# Allegro board RK_EVB1_RK3576_LP4XD200P132SD6_V12_20240530YWQ.brd (continued)
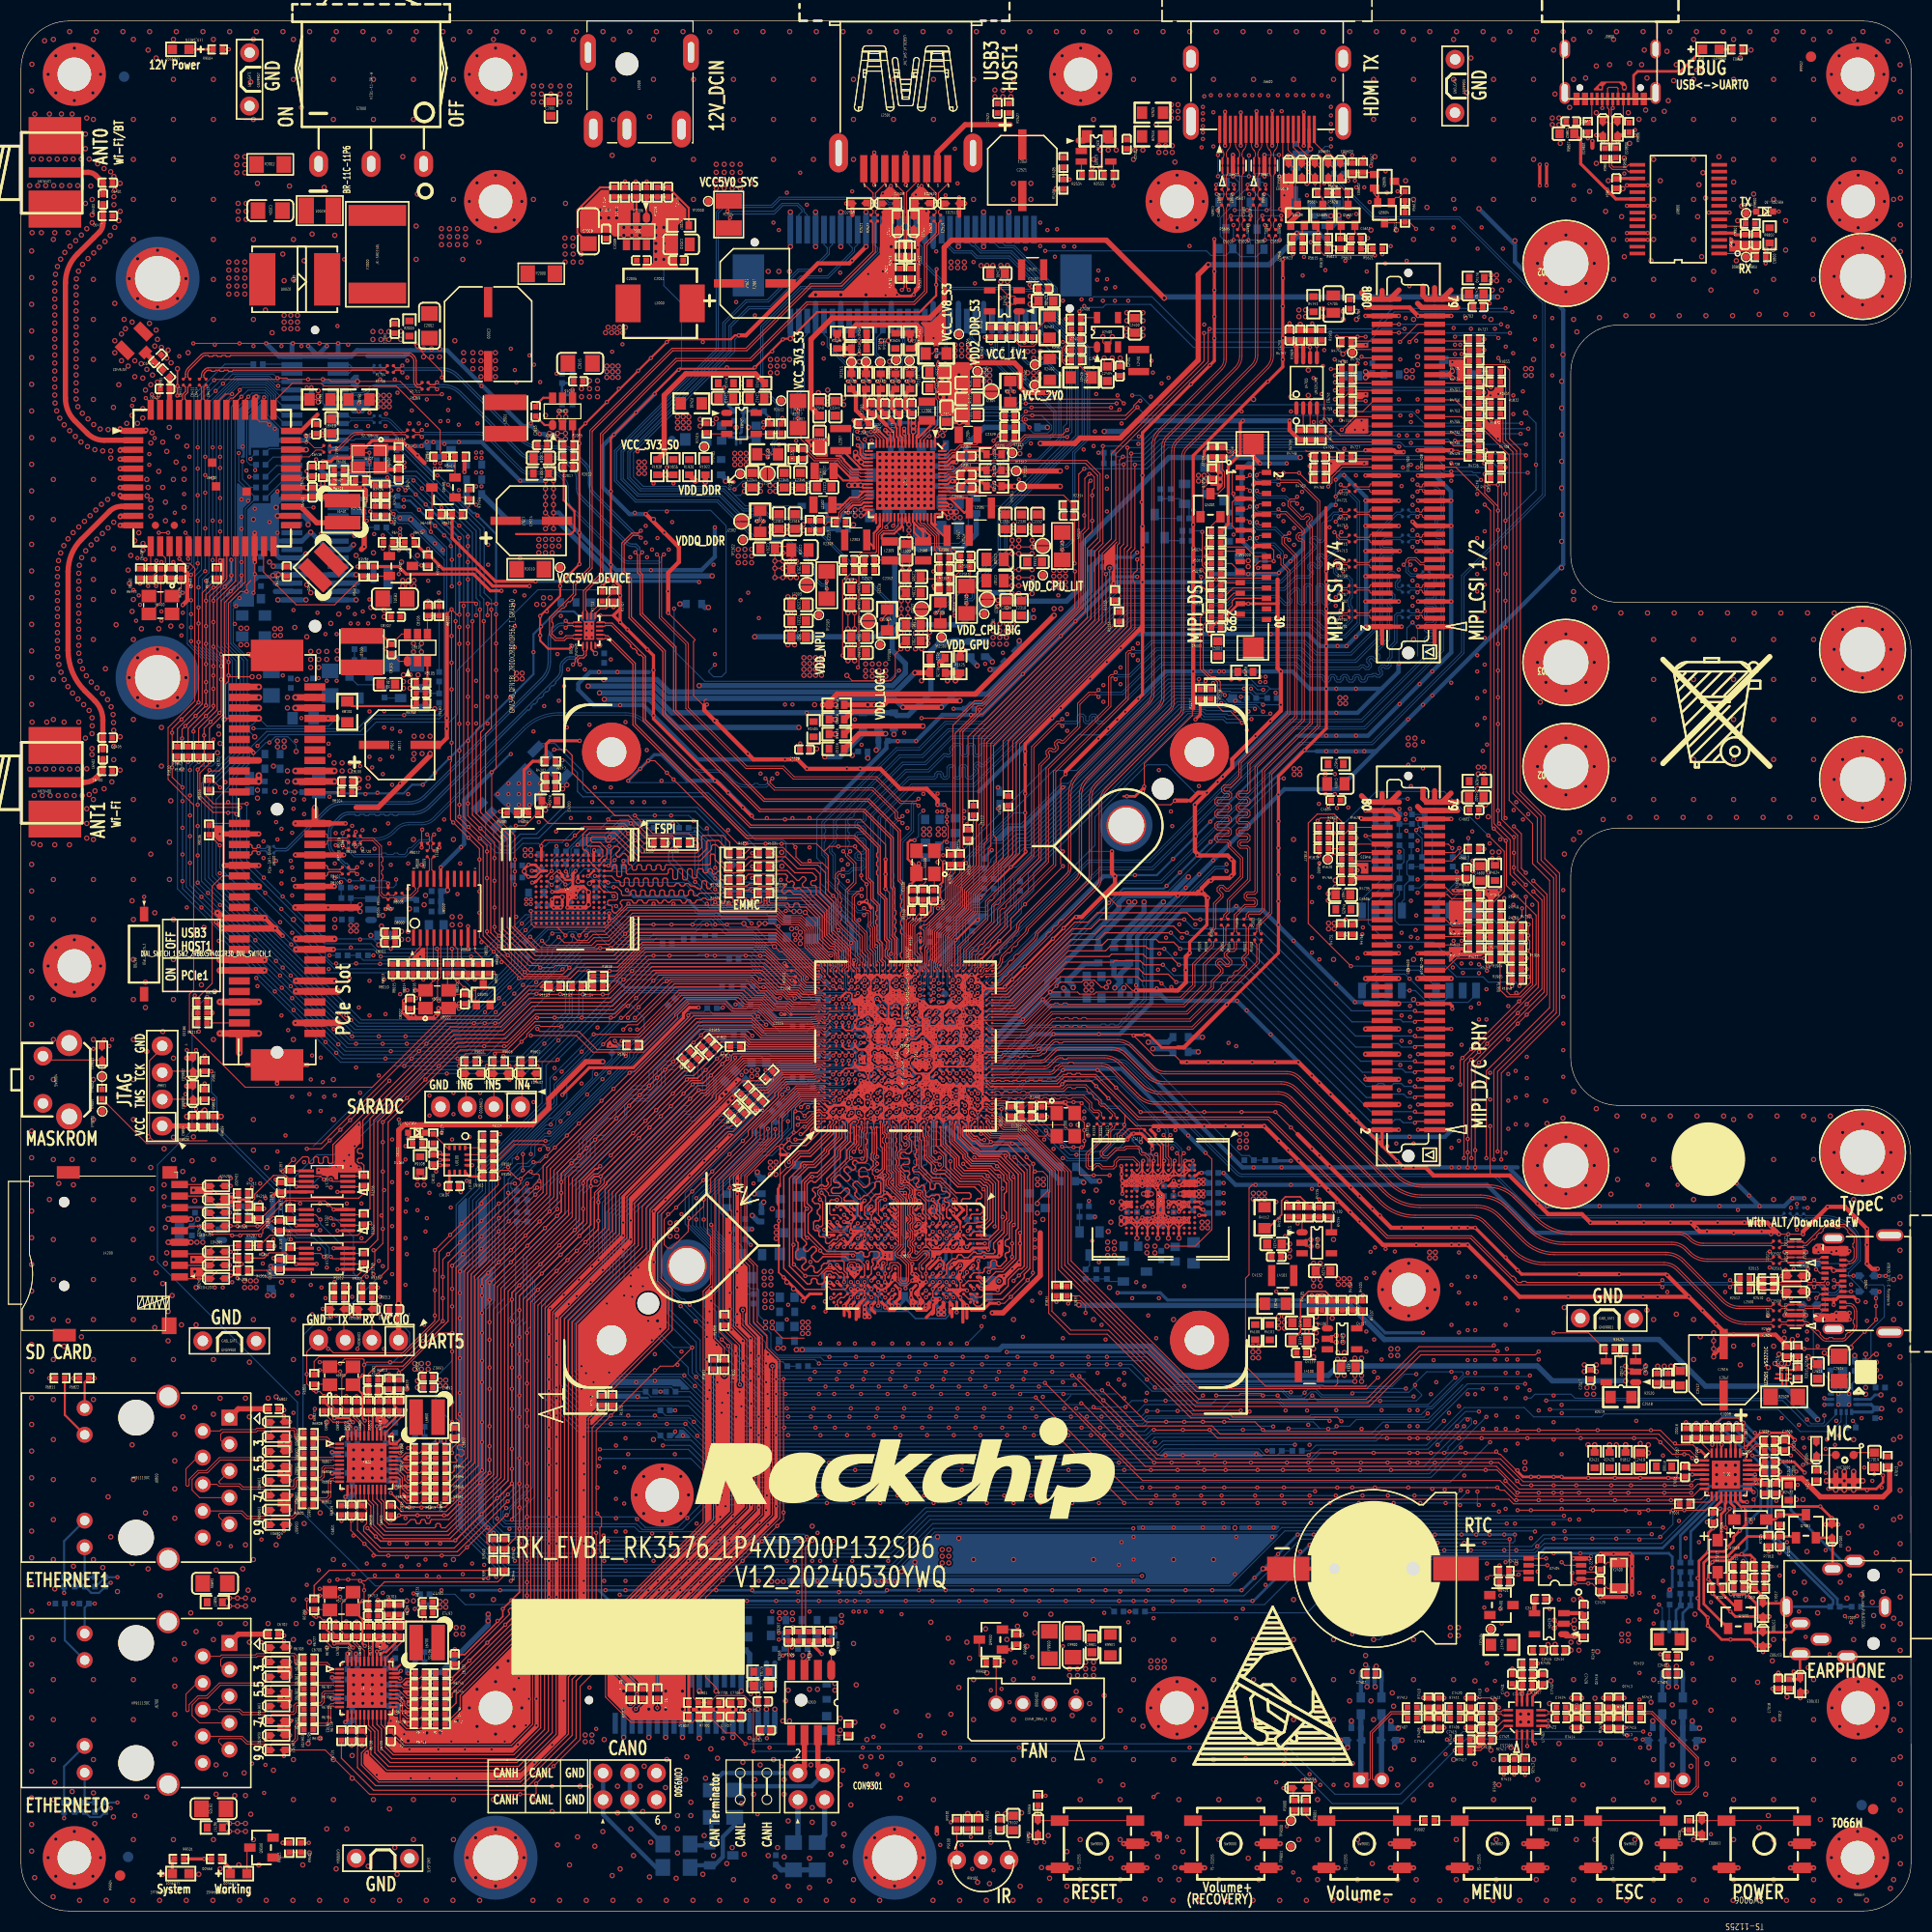
[diagram p0: board, top side]
## Routing (per net, layer and track width the routed paths; a pad name or vN(x,y) marks a point on that pad's centre or on a via; arc(x,y) is an arc through that point) (continued)
  vias: v1(2.68,29.28) v1(4.96,29.28) v1(6.9,82.11) v1(7.91,83) v1(8.42,82.37) v1(8.68,83) v1(8.8,134.95) v1(10.58,143.35) v1(10.71,125.8) v1(10.96,122.88) v1(11.09,128.85) v1(11.22,125.29) v1(11.34,124.4) v1(11.85,128.72) v1(12.11,126.18) v1(12.22,138.75) v1(12.22,137.74) v1(12.73,140.28) v1(13.12,144.34) v1(13.38,128.47) v1(13.38,123.77) v1(13.38,122.88) v1(14.5,128.47) v1(14.65,133.17) v1(15.07,148.07) v1(15.28,121.48) v1(15.48,132.38) v1(15.41,125.55) v1(15.41,123.64) v1(15.53,134.95) v1(15.66,77.8) v1(15.66,76.78) v1(15.79,95.58) v1(15.79,81.99) v1(15.79,79.32) v1(16.04,138.5) v1(16.55,87.19) v1(16.68,81.99) v1(16.68,79.19) v1(16.68,76.4) v1(16.93,83.76) v1(17.19,95.58) v1(17.44,62.05) v1(17.44,60.9) v1(17.95,108.66) v1(18.33,111.58) v1(18.46,149.17) v1(18.46,59.38) v1(18.84,112.85) v1(18.94,98.84) v1(18.96,69.79) v1(19.22,59.38) v1(19.47,107.51) v1(19.73,105.61) v1(19.73,104.59) v1(19.98,69.79) v1(19.98,34.74) v1(20.11,59.89) v1(20.36,122.58) v1(20.49,67.76) v1(20.49,66.57) v1(20.47,62.78) v1(20.59,61.59) v1(20.61,65.22) v1(20.61,60.27) v1(20.81,125.04) v1(21,134.44) v1(21,132.79) v1(21,131.64) v1(21,128.47) v1(21.03,61.61) v1(21.12,139.47) v1(21.46,137.19) v1(21.63,134.31) v1(21.88,69.67) v1(22.01,14.04) v1(22.14,149.04) v1(22.27,133.55) v1(22.52,88.08) v1(22.52,65.22) v1(22.65,104.59) v1(22.77,69.29) v1(22.9,35.38) v1(22.9,25.6) v1(23.03,62.56) v1(23.03,61.67) v1(23.09,101.87) v1(23.09,100.28) v1(23.15,11.25) v1(23.28,67.89) v1(23.28,13.91) v1(23.66,132.28) v1(24.04,63.98) v1(24.17,141.17) v1(24.3,103.7) v1(24.3,100.02) v1(24.42,135.2) v1(24.42,131.26) v1(24.42,102.05) v1(24.42,72.33) v1(24.55,35.63) v1(24.68,94.18) v1(24.81,149.04) v1(24.81,103.07) v1(24.81,99) v1(24.81,97.86) v1(24.81,85.29) v1(24.93,117.67) v1(25.07,47.7) v1(25.19,73.86) v1(25.44,83.89) v1(25.69,100.02) v1(25.69,63.95) v1(25.82,102.69) v1(25.82,99.39) v1(25.82,96.72) v1(25.82,93.16) v1(25.82,77.54) v1(25.82,58.62) v1(25.95,123.9) v1(25.95,104.97) v1(25.95,60.02) v1(25.95,47.44) v1(26.2,111.45) v1(26.58,67.38) v1(26.71,149.04) v1(26.71,113.61) v1(26.96,105.86) v1(26.96,104.47) v1(26.96,71.32) v1(27.12,140.53) v1(27.09,28.39) v1(27.22,145.11) v1(27.2,137.12) v1(27.22,31.06) v1(27.47,77.8) v1(27.6,79.19) v1(27.6,59.63) v1(27.73,56.84) v1(27.98,47.82) v1(28.11,138.25) v1(28.23,123.64) v1(28.35,117.42) v1(28.36,70.56) v1(28.36,66.75) v1(28.36,63.06) v1(28.36,32.46) v1(28.49,67.38) v1(28.49,64.84) v1(28.62,59.38) v1(28.74,78.94) v1(28.74,57.35) v1(28.87,77.54) v1(29,121.61) v1(29,58.36) v1(29.12,117.17) v1(29.12,61.29) v1(29.12,25.09) v1(29.29,111.17) v1(29.25,67.25) v1(29.25,53.54) v1(29.38,110.05) v1(29.3,89.71) v1(29.38,55.44) v1(29.38,31.44) v1(29.5,68.91) v1(29.76,65.35) v1(29.89,99.77) v1(29.89,77.67) v1(29.97,102.66) v1(29.97,101.5) v1(30.06,121.61) v1(30.06,117.17) v1(30.01,90.24) v1(30.01,56.71) v1(30.14,150.95) v1(30.52,45.03) v1(30.52,40.2) v1(30.52,23.57) v1(30.52,18.74) v1(30.77,71.45) v1(30.77,32.96) v1(30.97,85.31) v1(31.03,67.38) v1(31.16,149.17) v1(31.16,124.15) v1(31.28,88.84) v1(31.39,122.63) v1(31.41,91.77) v1(31.41,70.94) v1(31.54,103.35) v1(31.54,58.49) v1(31.54,57.35) v1(31.54,56.71) v1(31.66,35.76) v1(31.66,32.08) v1(31.79,123.52) v1(31.79,72.84) v1(31.92,141.42) v1(31.92,90.24) v1(31.92,80.34) v1(32.04,53.54) v1(32.17,143.58) v1(32.17,142.82) v1(32.1,122.61) v1(32.17,86.05) v1(32.17,74.87) v1(32.3,109.04) v1(32.3,92.53) v1(32.3,77.92) v1(32.48,99.87) v1(32.43,67.38) v1(32.43,64.08) v1(32.55,123.77) v1(32.52,102.94) v1(32.51,101.16) v1(32.81,106.37) v1(32.93,132.41) v1(32.93,60.41) v1(32.93,33.09) v1(33.06,141.42) v1(33.06,122.63) v1(33.19,142.69) v1(33.19,137.99) v1(33.19,124.91) v1(33.19,109.93) v1(33.19,88.59) v1(33.19,85.29) v1(33.24,65.53) v1(33.31,99.64) v1(33.44,108.91) v1(33.57,60.65) v1(33.57,33.85) v1(33.68,102.94) v1(33.67,101.16) v1(33.7,31.95) v1(33.95,106.5) v1(34.08,79.57) v1(34.08,61.92) v1(34.2,145.87) v1(34.2,109.67) v1(34.2,58.49) v1(34.2,57.73) v1(34.2,56.84) v1(34.33,66.24) v1(34.46,108.28) v1(34.46,61.41) v1(34.46,30.3) v1(34.46,28.65) v1(34.58,114.27) v1(34.58,112.72) v1(34.58,88.72) v1(34.58,53.54) v1(34.58,32.96) v1(34.76,142.59) v1(34.71,141.42) v1(34.71,120.21) v1(34.71,85.42) v1(34.71,59.89) v1(34.97,103.58) v1(35.09,101.67) v1(35.09,35) v1(35.22,99.64) v1(35.35,112.59) v1(35.35,109.93) v1(35.35,107.26) v1(35.35,73.48) v1(35.35,69.41) v1(35.35,66.87) v1(35.35,65.22) v1(35.35,63.06) v1(35.35,60.65) v1(35.6,145.87) v1(35.85,144.6) v1(35.85,31.95) v1(35.98,129.61) v1(35.98,75.38) v1(36.11,132.66) v1(36.11,131.64) v1(36.11,131.01) v1(36.11,112.34) v1(36.11,107.39) v1(36.11,87.32) v1(36.24,32.84) v1(36.24,30.55) v1(36.62,72.84) v1(36.62,71.57) v1(36.62,64.08) v1(36.62,59.63) v1(36.62,37.41) v1(36.78,147.65) v1(36.78,146.06) v1(36.74,70.3) v1(36.74,62.56) v1(36.74,35) v1(36.74,33.73) v1(36.87,106.37) v1(36.87,99.77) v1(36.87,97.35) v1(36.79,87.69) v1(36.87,22.63) v1(36.9,21.66) v1(36.9,20.7) v1(36.9,19.73) v1(36.9,18.77) v1(36.9,17.8) v1(37,141.68) v1(37.22,142.91) v1(37.25,131.01) v1(37.38,136.24) v1(37.51,144.09) v1(37.63,86.94) v1(37.76,74.11) v1(37.89,141.68) v1(37.89,32.96) v1(38.14,99.64) v1(38.14,38.43) v1(38.27,131.39) v1(38.39,55.82) v1(38.52,64.71) v1(38.52,33.47) v1(38.65,143.96) v1(38.64,141.52) v1(38.64,139.92) v1(38.65,65.98) v1(38.65,35) v1(38.65,31.95) v1(38.78,129.74) v1(38.78,126.69) v1(38.78,37.54) v1(38.9,77.67) v1(38.9,75.76) v1(38.9,68.4) v1(38.98,43.61) v1(38.98,22.14) v1(39.41,130.25) v1(39.79,125.55) v1(39.79,86.69) v1(39.79,69.16) v1(39.79,38.55) v1(39.79,31.82) v1(39.81,102.99) v1(39.92,35) v1(40.05,133.68) v1(40.05,74.11) v1(40.05,30.55) v1(40.17,129.61) v1(40.17,54.17) v1(40.33,139.72) v1(40.3,131.01) v1(40.3,103.96) v1(40.43,32.96) v1(40.81,109.8) v1(40.93,67) v1(41.06,73.48) v1(41.19,77.92) v1(41.19,75.89) v1(41.57,96.85) v1(41.7,141.55) v1(41.7,135.33) v1(41.7,85.92) v1(41.82,99.77) v1(41.82,40.08) v1(42.08,62.56) v1(42.08,32.08) v1(42.46,69.54) v1(42.59,111.45) v1(42.71,73.73) v1(42.97,33.09) v1(43.35,133.93) v1(43.35,117.17) v1(43.35,114.75) v1(43.35,113.1) v1(43.47,141.68) v1(43.73,77.92) v1(43.73,75.64) v1(43.86,92.27) v1(44.11,32.96) v1(44.49,130.12) v1(44.49,128.21) v1(44.43,115.64) v1(44.43,113.1) v1(45,89.35) v1(45,36.01) v1(45.25,31.82) v1(45.41,106.37) v1(45.76,90.37) v1(46.27,77.92) v1(46.42,107.38) v1(46.42,106.37) v1(46.42,105.35) v1(46.4,75.64) v1(46.52,36.39) v1(46.65,148.79) v1(46.65,31.44) v1(46.9,124.4) v1(46.9,34.49) v1(47.03,125.67) v1(47.03,122.37) v1(47.03,120.34) v1(47.03,33.35) v1(47.16,94.69) v1(47.41,107.39) v1(47.41,106.37) v1(47.41,105.35) v1(47.41,22.17) v1(47.79,103.83) v1(47.94,125.29) v1(48.17,78.56) v1(48.3,26.11) v1(48.43,108.4) v1(48.43,107.39) v1(48.43,106.37) v1(48.43,105.35) v1(48.55,141.68) v1(48.81,112.34) v1(48.81,77.03) v1(48.96,79.17) v1(49.19,80.46) v1(49.32,103.7) v1(49.44,145.61) v1(49.44,107.39) v1(49.44,106.45) v1(49.82,114.75) v1(50.08,123.77) v1(50.59,11.88) v1(50.82,80.28) v1(50.86,79.3) v1(50.97,102.81) v1(51.09,119.71) v1(51.22,115.26) v1(51.35,87.32) v1(51.41,123.34) v1(51.41,121.75) v1(51.73,116.66) v1(51.98,112.72) v1(51.98,101.54) v1(52.1,118.25) v1(52.36,104.08) v1(52.75,102.43) v1(53.38,78.81) v1(53.38,49.73) v1(53.63,41.6) v1(53.7,118.25) v1(53.86,121.94) v1(53.86,121.31) v1(54.14,112.97) v1(54.14,104.08) v1(54.14,21.28) v1(54.27,48.97) v1(54.36,122.58) v1(54.36,121.94) v1(54.36,121.31) v1(54.4,105.61) v1(54.52,50.36) v1(54.65,107.01) v1(54.78,79.7) v1(54.78,17.34) v1(54.9,84.15) v1(54.9,40.33) v1(55.03,47.32) v1(55.03,42.36) v1(55.54,33.35) v1(55.54,31.44) v1(56.17,119.2) v1(56.17,107.01) v1(56.1,82.4) v1(56.3,105.61) v1(56.94,144.98) v1(57.44,58.62) v1(57.44,42.24) v1(57.44,38.81) v1(57.57,113.23) v1(57.57,45.03) v1(57.57,36.14) v1(57.57,33.35) v1(57.57,31.44) v1(57.57,26.87) v1(57.83,47.19) v1(57.83,43.51) v1(58.03,128.93) v1(58.02,83.95) v1(58.21,105.61) v1(58.46,133.17) v1(58.59,86.94) v1(58.59,50.36) v1(58.78,61.29) v1(58.71,48.97) v1(59.35,105.61) v1(59.5,131.92) v1(59.5,130.32) v1(59.62,128.93) v1(59.6,110.56) v1(59.6,25.09) v1(59.86,74.62) v1(60.08,54.35) v1(60.1,129.66) v1(60.11,35.96) v1(60.24,135.96) v1(60.24,33.35) v1(60.37,53.03) v1(60.37,51.51) v1(60.37,50.49) v1(60.37,47.19) v1(60.49,28.27) v1(60.62,130.75) v1(60.87,55.44) v1(61,107.64) v1(61.13,25.73) v1(61.25,105.61) v1(61.38,23.82) v1(61.51,137.49) v1(61.69,129.66) v1(61.64,66.37) v1(61.89,35.96) v1(62.02,132.28) v1(62.14,135.96) v1(62.27,43.51) v1(62.52,52.01) v1(62.78,25.6) v1(62.91,66.37) v1(62.91,53.28) v1(63.03,45.28) v1(63.03,28.27) v1(64.05,103.83) v1(64.34,36.9) v1(64.94,149.42) v1(65.95,128.21) v1(66.33,38.68) v1(66.59,37.54) v1(66.84,16.45) v1(67.1,19.38) v1(67.22,147.01) v1(67.35,102.94) v1(67.48,35.25) v1(67.86,136.09) v1(68.11,153.23) v1(69.38,16.48) v1(69.51,164.54) v1(69.51,20.65) v1(69.64,100.75) v1(69.64,99.48) v1(69.64,98.37) v1(69.76,69.29) v1(69.89,151.96) v1(69.89,147.01) v1(70.14,9.22) v1(70.27,123.13) v1(70.27,31.44) v1(70.43,108.32) v1(70.71,141.79) v1(70.71,141.28) v1(71.03,104.08) v1(71.03,16.45) v1(71.29,15.57) v1(71.54,148.53) v1(71.54,28.52) v1(72.02,108.32) v1(72.18,26.49) v1(72.18,25.85) v1(72.43,13.79) v1(72.56,149.68) v1(72.56,24.33) v1(72.94,163.65) v1(72.94,56.33) v1(72.94,33.35) v1(73.07,57.73) v1(73.45,31.44) v1(73.43,25.09) v1(73.45,24.33) v1(73.53,27.04) v1(73.7,33.35) v1(73.83,140.03) v1(74.21,165.55) v1(74.21,111.2) v1(74.21,35.25) v1(74.84,162.5) v1(75.1,104.08) v1(75.1,101.29) v1(75.1,100.02) v1(75.1,28.52) v1(75.35,33.35) v1(75.86,36.01) v1(75.86,31.44) v1(76.11,156.28) v1(76.11,54.05) v1(76.11,33.35) v1(76.37,149.3) v1(76.45,147.85) v1(76.56,58.05) v1(76.72,139.9) v1(77.38,35.25) v1(77.51,33.35) v1(77.89,54.05) v1(78.02,156.03) v1(78.15,100.1) v1(78.27,6.17) v1(78.44,149.66) v1(78.4,148.15) v1(78.75,99.69) v1(78.75,98.1) v1(79.16,163.77) v1(79.16,33.35) v1(79.29,28.52) v1(79.42,113.48) v1(79.42,54.05) v1(79.42,31.44) v1(79.8,149.55) v1(79.8,148.28) v1(79.83,95.97) v1(79.83,94.38) v1(79.8,28.52) v1(80.05,111.07) v1(80.18,15.57) v1(80.43,28.52) v1(80.69,155.9) v1(80.94,12.01) v1(81.07,147.01) v1(81.19,54.05) v1(81.19,16.58) v1(81.32,31.44) v1(81.57,13.03) v1(81.7,15.57) v1(81.96,31.44) v1(81.96,28.52) v1(82.08,163.57) v1(82.08,156.15) v1(82.34,153.88) v1(82.59,33.35) v1(82.59,31.44) v1(82.84,164.28) v1(82.84,155.14) v1(82.97,163.19) v1(82.96,162.05) v1(82.97,54.05) v1(83.1,157.04) v1(83.23,31.44) v1(83.86,28.27) v1(84.11,112.21) v1(84.42,104.74) v1(84.42,103.15) v1(84.5,54.05) v1(84.75,162.02) v1(84.88,163.18) v1(85.22,163.46) v1(85.38,158.44) v1(85.38,157.04) v1(85.64,15.57) v1(85.77,164.28) v1(85.94,106.39) v1(85.89,54.05) v1(86.22,161.9) v1(86.65,163.39) v1(86.91,149.8) v1(87.16,158.06) v1(87.29,106.42) v1(87.27,104.72) v1(87.29,99.89) v1(87.42,54.05) v1(87.54,6.29) v1(87.72,104.72) v1(87.82,100.55) v1(88.05,163.39) v1(88.18,101.8) v1(88.14,99.05) v1(88.21,101.16) v1(88.38,104.85) v1(88.56,54.05) v1(88.94,167.84) v1(89.19,164.54) v1(89.45,15.57) v1(89.58,6.29) v1(89.83,104.74) v1(89.83,104.1) v1(90.46,7.06) v1(90.59,4.01) v1(90.72,157.04) v1(90.85,155.01) v1(91.48,148.03) v1(91.73,56.59) v1(91.83,118.78) v1(92.37,149.32) v1(92.37,21.03) v1(92.62,54.55) v1(92.62,3.88) v1(93.13,140.53) v1(93.26,153.61) v1(93.39,21.15) v1(93.51,119.83) v1(93.89,124.12) v1(94.15,19.88) v1(95.04,136.34) v1(95.04,15.57) v1(95.42,54.68) v1(95.67,158.31) v1(96.05,138.63) v1(96.18,139.77) v1(96.31,58.11) v1(96.31,24.2) v1(96.43,123.9) v1(96.43,22.17) v1(96.56,65.6) v1(96.56,64.84) v1(96.56,63.95) v1(96.56,63.19) v1(96.56,62.17) v1(96.69,74.24) v1(97.07,158.57) v1(97.07,58.87) v1(97.32,48.97) v1(97.45,73.48) v1(97.45,6.55) v1(98.33,72.58) v1(98.47,157.55) v1(98.79,125.3) v1(99.23,153.36) v1(99.23,149.42) v1(99.23,107.01) v1(99.23,99.51) v1(99.23,54.55) v1(99.23,50.36) v1(99.23,25.22) v1(99.35,56.84) v1(99.61,137.49) v1(99.64,113.99) v1(99.64,112.4) v1(99.99,74.87) v1(100.62,74.87) v1(100.8,152.34) v1(101.01,153.49) v1(101.2,139.19) v1(101.26,132.91) v1(101.26,76.14) v1(101.26,75.51) v1(101.2,68.52) v1(101.64,74.87) v1(101.64,73.86) v1(102.02,63.83) v1(102.15,150.69) v1(102.15,147.01) v1(102.15,139.52) v1(102.28,147.9) v1(102.28,140.91) v1(102.4,144.47) v1(102.53,51.25) v1(102.66,61.79) v1(102.91,55.82) v1(102.91,15.57) v1(103.04,153.36) v1(103.09,116.75) v1(103.09,115.16) v1(103.16,28.39) v1(103.29,54.43) v1(103.42,136.6) v1(103.42,135.45) v1(103.42,133.29) v1(104.43,144.34) v1(104.56,50.62) v1(104.56,32.96) v1(104.69,30.42) v1(104.72,118.43) v1(104.72,116.84) v1(104.82,141.68) v1(104.82,35.12) v1(105.07,51.25) v1(105.07,50.11) v1(105.07,48.84) v1(105.2,15.57) v1(105.45,153.36) v1(105.45,27.5) v1(105.96,35.63) v1(105.96,33.47) v1(105.96,31.44) v1(106.2,88.17) v1(106.21,59.89) v1(106.37,120.72) v1(106.37,119.13) v1(106.47,140.43) v1(106.42,139.72) v1(106.72,134.18) v1(106.85,129.87) v1(106.85,36.52) v1(107.23,49.35) v1(107.36,56.71) v1(107.61,144.22) v1(107.86,28.77) v1(107.86,27.88) v1(107.99,44.65) v1(108.16,87.87) v1(108.12,54.55) v1(108.29,89.65) v1(108.37,108.66) v1(108.35,74.36) v1(108.41,91.17) v1(108.63,145.49) v1(109.05,92.7) v1(109.13,7.06) v1(109.51,104.72) v1(109.64,103.32) v1(109.62,72.64) v1(109.77,36.52) v1(109.81,89.65) v1(109.94,91.17) v1(109.94,74.36) v1(110.32,93.97) v1(110.57,92.7) v1(110.78,59.51) v1(111.21,72.64) v1(111.29,158.57) v1(111.29,15.57) v1(111.84,93.97) v1(112.18,107.13) v1(112.44,167.97) v1(112.56,171.82) v1(112.56,171.21) v1(112.56,170.6) v1(112.56,169.99) v1(112.56,169.38) v1(112.56,168.77) v1(112.56,36.52) v1(112.69,172.83) v1(112.69,151.09) v1(112.86,129.82) v1(113.32,172.93) v1(113.56,171.31) v1(113.56,168.06) v1(113.83,126.82) v1(114.21,172.93) v1(114.59,36.52) v1(115.03,172.93) v1(115,139.01) v1(115.48,131.08) v1(115.61,32.08) v1(115.74,172.93) v1(115.74,35.63) v1(115.74,27.88) v1(116.25,142.82) v1(116.37,28.77) v1(116.55,172.93) v1(116.63,14.55) v1(116.91,114.24) v1(117.01,47.57) v1(117.01,36.52) v1(117.26,172.93) v1(117.64,43.51) v1(117.97,172.93) v1(118.53,31.06) v1(118.79,172.93) v1(119.17,35.63) v1(119.29,36.52) v1(119.56,67.53) v1(119.55,12.26) v1(119.7,172.93) v1(120.06,171.41) v1(120.18,155.52) v1(120.18,149.8) v1(120.23,135.37) v1(120.23,133.96) v1(120.23,132.37) v1(120.31,163.39) v1(120.44,15.31) v1(120.56,8.07) v1(120.61,172.93) v1(120.67,167.2) v1(120.94,142.82) v1(121.17,3.67) v1(121.25,131.7) v1(121.25,130.11) v1(121.43,172.93) v1(121.83,34.23) v1(122.07,155.76) v1(122.01,135.16) v1(122.01,133.56) v1(122.14,172.93) v1(122.19,157.54) v1(122.47,163.39) v1(122.48,47.67) v1(122.6,46.3) v1(122.72,44.39) v1(122.72,13.03) v1(122.83,158.94) v1(122.98,151.2) v1(123.05,172.93) v1(123.1,145.99) v1(123.12,141.8) v1(123.1,11.37) v1(123.23,30.55) v1(123.23,12.39) v1(123.74,12.01) v1(123.87,172.93) v1(123.87,144.47) v1(123.83,141.8) v1(123.99,147.14) v1(124.12,164.54) v1(124.12,148.66) v1(124.23,156.27) v1(124.25,106.37) v1(124.5,172.83) v1(124.5,45.92) v1(124.75,171.82) v1(124.75,171) v1(124.75,170.19) v1(124.75,169.48) v1(124.75,168.77) v1(124.75,137.87) v1(125.01,12.01) v1(125.14,108.28) v1(125.14,106.37) v1(125.21,132.32) v1(125.21,126.71) v1(125.26,47.7) v1(125.37,67.53) v1(125.52,33.85) v1(125.9,127.58) v1(126.02,167.33) v1(126.02,139.26) v1(126.13,157.16) v1(126.21,131.78) v1(126.41,161.36) v1(126.79,26.36) v1(127.04,164.79) v1(127.04,141.07) v1(127.04,28.14) v1(127.17,164.16) v1(127.17,161.62) v1(127.29,147.39) v1(127.68,141.93) v1(127.68,45.92) v1(127.68,34.62) v1(127.8,93.67) v1(127.93,164.16) v1(128.06,147.39) v1(128.06,144.47) v1(128.06,99.39) v1(128.16,156.14) v1(128.29,159.32) v1(128.44,162.76) v1(128.56,166.19) v1(128.56,31.69) v1(129.58,47.7) v1(129.96,165.68) v1(129.94,156.91) v1(130.09,163.65) v1(130.09,46.17) v1(130.45,158.56) v1(130.47,28.01) v1(130.47,26.49) v1(130.98,73.1) v1(130.98,31.31) v1(130.98,29.92) v1(131.1,163.77) v1(131.23,143.96) v1(131.21,127.75) v1(131.23,91.89) v1(131.23,78.18) v1(131.36,147.77) v1(131.36,142.44) v1(131.36,80.57) v1(131.49,135.71) v1(131.49,93.16) v1(131.49,85.29) v1(131.49,82.88) v1(131.61,137.49) v1(131.87,151.71) v1(131.87,103.96) v1(131.97,157.16) v1(131.99,140.53) v1(132.23,154.75) v1(132.29,86.2) v1(132.29,85.14) v1(132.29,83.8) v1(132.29,82.74) v1(132.29,81.4) v1(132.29,80.34) v1(132.29,79) v1(132.29,77.94) v1(132.29,76.6) v1(132.29,75.54) v1(132.37,142.44) v1(132.37,141.8) v1(132.37,139.82) v1(132.37,137.74) v1(132.37,107.13) v1(132.37,96.21) v1(132.37,92.78) v1(132.37,91.77) v1(132.53,136.31) v1(132.53,134.72) v1(132.53,133.91) v1(132.53,131.51) v1(132.53,129.92) v1(132.53,126.71) v1(132.53,125.12) v1(132.53,124.31) v1(132.63,73.1) v1(132.88,149.55) v1(132.8,127.75) v1(132.88,94.81) v1(132.82,93.42) v1(133.01,143.96) v1(133.01,142.82) v1(133.01,140.53) v1(133.01,101.93) v1(133.01,101.04) v1(133.01,98.24) v1(133.01,96.97) v1(133.01,92.65) v1(133.9,33.22) v1(134.28,49.22) v1(134.41,160.22) v1(134.41,115.77) v1(134.41,40.2) v1(134.53,52.46) v1(134.79,50.36) v1(135.68,14.93) v1(135.8,16.33) v1(136,47.44) v1(136.31,147.52) v1(136.31,101.89) v1(136.36,89.86) v1(136.31,80.34) v1(136.44,160.35) v1(136.44,150.76) v1(136.44,93.29) v1(136.44,92.4) v1(136.57,162.12) v1(136.57,149.17) v1(136.57,148.28) v1(136.95,48.08) v1(137.07,149.17) v1(137.2,148.28) v1(137.2,93.29) v1(137.2,92.4) v1(137.2,91.38) v1(137.2,90.24) v1(137.2,82.49) v1(137.33,89.35) v1(137.45,41.47) v1(137.58,151.71) v1(138.09,150.69) v1(138.09,90.24) v1(138.09,86.05) v1(138.22,102.81) v1(138.25,100.04) v1(138.27,99.53) v1(138.25,99.02) v1(138.72,158.31) v1(139.11,160.35) v1(139.23,45.92) v1(139.36,151.84) v1(139.36,137.87) v1(139.36,28.9) v1(139.41,142.39) v1(139.49,139.14) v1(139.74,98.88) v1(139.74,97.1) v1(139.87,153.11) v1(139.87,101.67) v1(139.95,144.34) v1(139.92,79.83) v1(139.92,77.29) v1(140.25,38.68) v1(140.38,150.69) v1(140.38,52.52) v1(140.5,49.73) v1(140.5,47.19) v1(140.5,45.92) v1(140.7,147.9) v1(140.7,144.47) v1(140.76,97.23) v1(140.88,102.05) v1(140.88,30.04) v1(140.88,28.77) v1(141.01,27.38) v1(141.14,158.31) v1(141.26,96.46) v1(141.39,33.22) v1(141.52,53.54) v1(141.52,52.52) v1(141.77,155.27) v1(142.15,94.56) v1(142.41,33.09) v1(143.04,144.72) v1(143.41,81.35) v1(143.41,79.32) v1(143.41,77.67) v1(143.41,74.87) v1(143.55,88.97) v1(143.68,49.6) v1(143.8,35.5) v1(144.19,151.84) v1(144.19,149.68) v1(144.44,32.33) v1(144.54,52.52) v1(144.54,47.67) v1(145.58,31.82) v1(145.58,28.77) v1(145.84,151.71) v1(145.84,149.04) v1(145.84,146.25) v1(145.96,49.09) v1(145.96,46.55) v1(145.96,44.9) v1(145.96,36.9) v1(146.47,29.66) v1(146.73,48.2) v1(146.74,47.41) v1(146.73,43.51) v1(146.73,38.3) v1(146.88,97.23) v1(146.88,94.69) v1(146.88,92.15) v1(146.88,89.61) v1(146.88,87.07) v1(146.88,84.53) v1(146.88,81.99) v1(146.88,79.45) v1(147.01,36.17) v1(147.89,164.34) v1(148.38,37.28) v1(152.69,165.48) v1(152.95,16.73) v1(153.08,36.17) v1(153.71,169.62) v1(153.71,169.11) v1(153.84,46.68) v1(154.14,37.92) v1(154.14,35.38) v1(154.14,30.3) v1(154.14,27.76) v1(154.14,22.68) v1(154.14,20.14) v1(154.22,15.57) v1(154.46,16.33) v1(154.85,33.6) v1(154.92,69.16) v1(155.11,36.9) v1(155.13,16.84) v1(155.49,29.92) v1(155.49,27.38) v1(156.12,24.46) v1(156.38,43.38) v1(156.38,31.44) v1(156.79,58.95) v1(157.27,34.62) v1(157.77,69.16) v1(157.9,37.16) v1(158.54,35.5) v1(158.54,33.73) v1(159.17,23.57) v1(159.55,175.33) v1(159.68,31.69) v1(159.68,29.79) v1(159.81,35.12) v1(160.06,175.33) v1(160.95,29.41) v1(160.95,7.31) v1(161.08,44.39) v1(161.13,69.16) v1(162.3,60.55) v1(162.3,58.95) v1(162.85,36.01) v1(163.52,66.77) v1(164.63,31.31) v1(164.76,37.03) v1(164.76,28.9) v1(164.89,33.47) v1(165.01,53.92) v1(165.01,39.19) v1(165.14,45.54) v1(165.52,46.93) v1(166.41,58.24) v1(166.41,56.71) v1(166.41,55.32) v1(166.54,62.81) v1(166.54,61.29) v1(166.66,64.46) v1(167.17,39.06) v1(167.49,31.95) v1(167.68,46.93) v1(167.68,39.82) v1(167.93,55.19) v1(167.93,25.85) v1(168.06,27.12) v1(168.19,35.13) v1(168.57,66.97) v1(168.57,58.36) v1(168.57,43.38) v1(168.82,61.16) v1(168.82,32.33) v1(168.82,22.8) v1(169.08,41.85) v1(169.2,54.81) v1(169.2,40.58) v1(169.33,46.3) v1(169.33,28.52) v1(169.71,45.03) v1(169.71,42.49) v1(169.84,44.14) v1(169.97,26.11) v1(170.18,61.16) v1(170.09,55.19) v1(170.09,54.43) v1(170.27,58.28) 